# Allegro board RK3576_Template_LP5D315P132SD8_25x36_2400MHz_H1R6_V11_20240530YWQ.brd (continued)
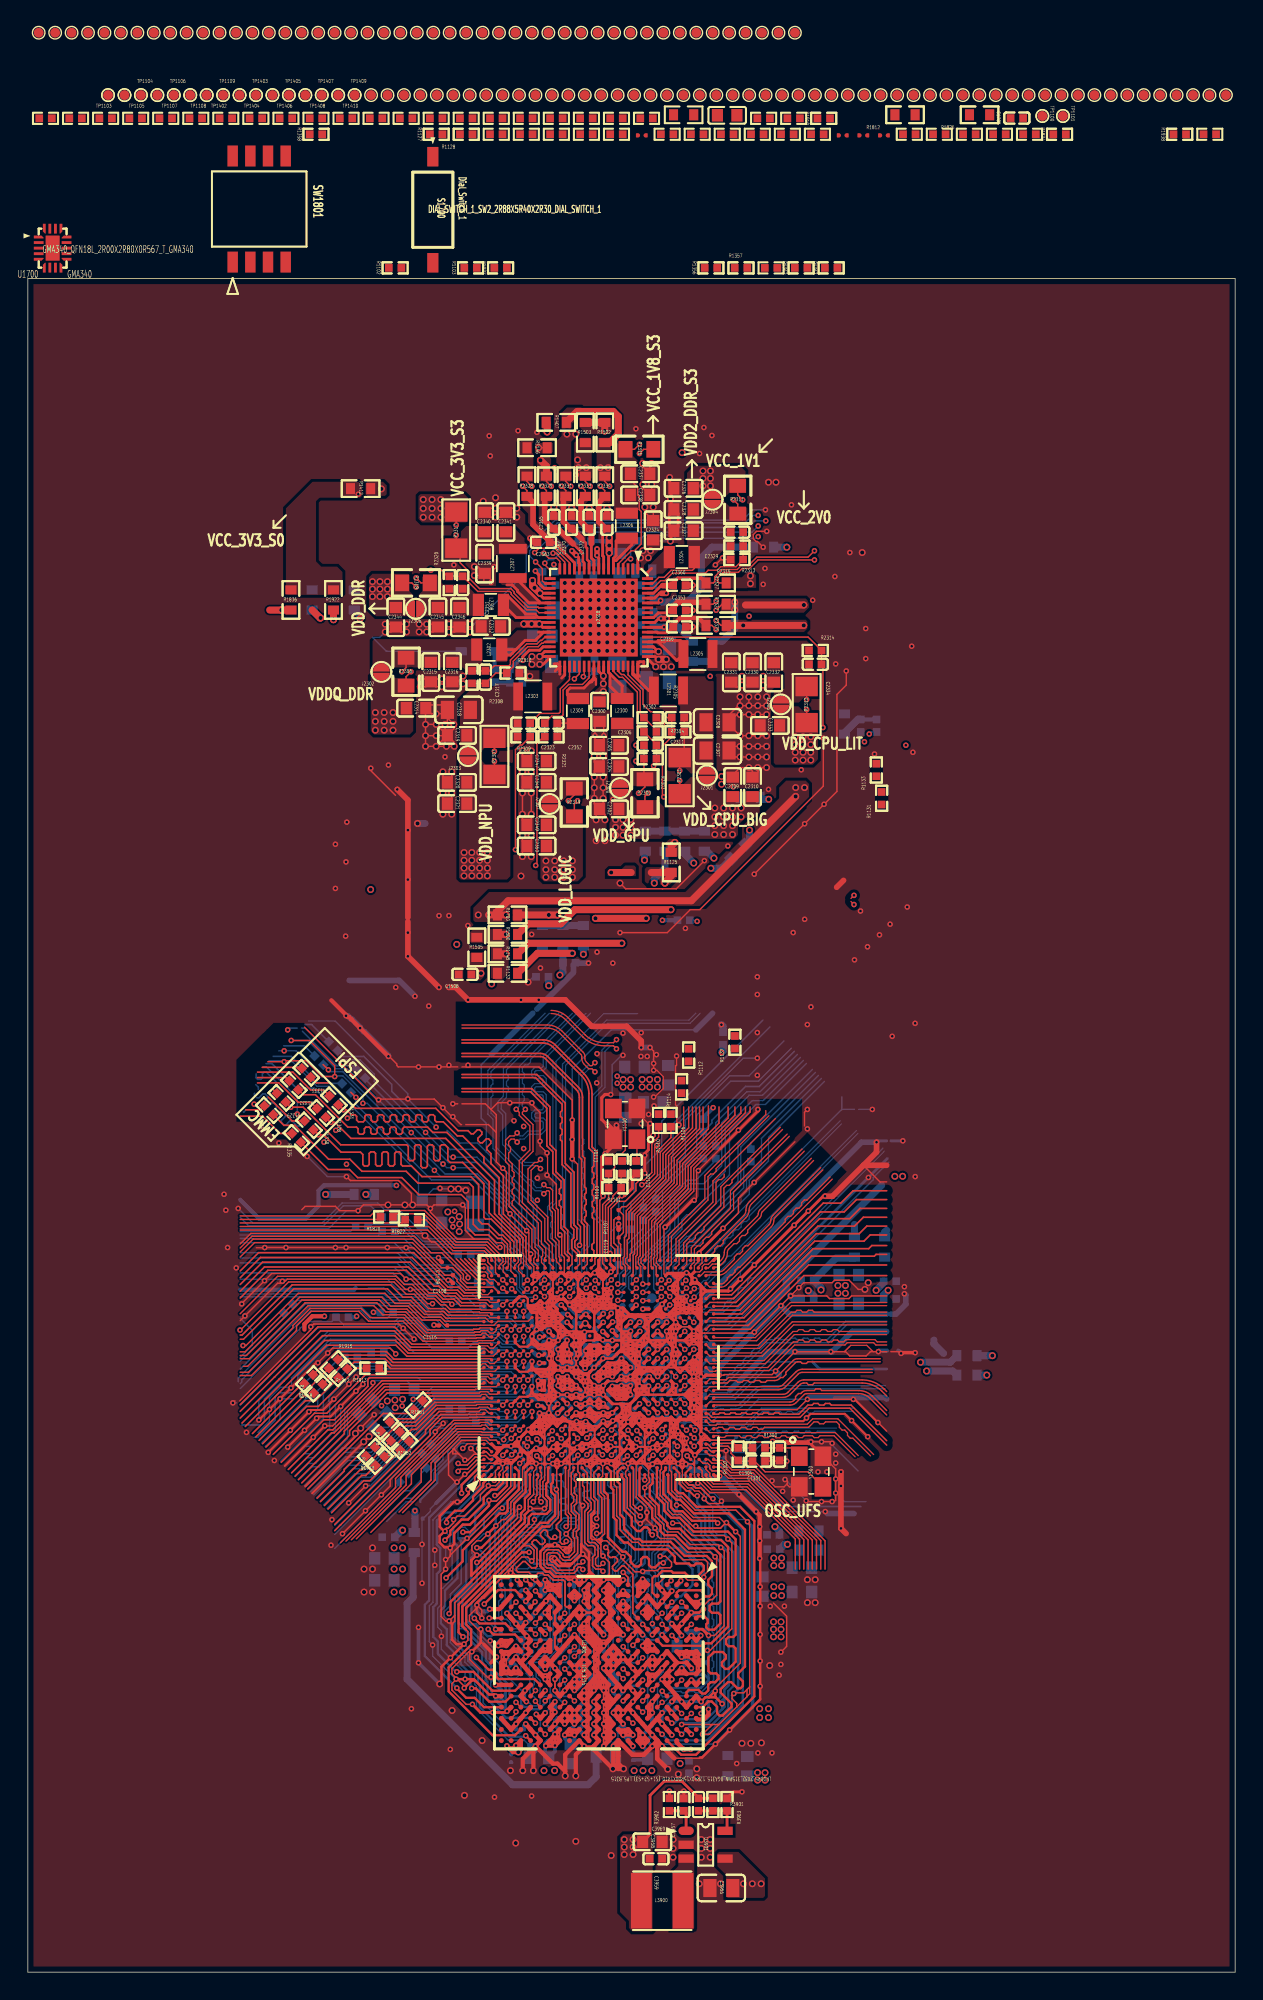
[diagram p0: board, top side]
## Routing (per net, layer and track width the routed paths; a pad name or vN(x,y) marks a point on that pad's centre or on a via; arc(x,y) is an arc through that point) (continued)
  TOP w0.406: v1(29.54,70.74) v1(27.3,72.97) v1(27.3,74.68) 27.3,75.46 ; 42.06,60.35 Y1100.4 ; 42.06,60.35 42.06,60.43 v1(41.66,60.83) ; 42.06,60.35 42.29,60.58 v1(42.29,60.83) ; v1(30.25,70.74) 30.73,70.74 v1(31.63,69.85) v1(35.43,69.85) v1(36.7,69.85) 38.61,69.85 40.51,67.94 43.03,67.94 44.07,66.9 v1(44.07,66.42) ; C2367.2 v2(39.06,105.16) ; v1(60.97,59.62) 60.97,58.9 60.03,57.96 ; C2353.2 v1(47.78,97.83) ; v1(26.54,84.96) 27.3,84.2 v1(27.3,82.04) v1(27.3,78.49) 27.3,75.77 ; v1(57.28,55.74) 57.81,55.74 60.03,57.96 ; 61.7,57.96 60.03,57.96 ; v1(58.42,35.94) v1(58.42,34.92) v1(58.42,31.88) 58.79,31.51 ; 58.6,78.43 58.11,77.94 ; C2372.2 v2(41.6,105.16) ; C2363.2 36.39,102.71 v1(36.09,103.02) ; C2360.2 v1(47.78,99.63) ; C2370.2 v2(40.33,105.16) ; C2365.2 v2(37.79,105.25) ; C2356.2 v1(47.78,96.64)
  L2-GND w0.102: 67.06,27 68.66,27 68.99,27.33 ; 71.12,109.6 67.68,106.16 67.68,105.54
  L3-POWER w0.102: 29.98,57.9 29.98,57.95 ; 29.98,57.9 v1(29.83,58.05) ; 29.98,57.9 29.98,56.7 29.62,56.34 v1(29.62,56.31) 29.77,56.16 29.77,51.6 v1(29.5,51.32) ; 29.98,57.95 29.98,58.2 ; 29.98,57.95 29.88,58.05 v1(29.83,58.05) ; 30.1,70.59 30.1,70.9 ; 30.1,70.59 30.1,65.3 v1(30.25,65.15) 30.39,65.02 30.39,62.53 v1(30.53,62.38) v1(30.53,61.45) 30.39,61.31 30.39,58.72 ; 30.1,70.59 v1(30.25,70.74) 30.1,70.9 ; 30.1,70.9 30.1,75.75 ; 30.1,76.05 30.1,79.76 31.23,80.89 34.28,80.89 35.03,80.14 v2(35.54,80.14) 35.54,80.63 35.14,81.03 34.72,81.03 34.45,81.3 31.06,81.3 30.38,80.62 29.69,79.93 29.69,76.05 ; 30.1,76.05 v1(30.25,75.9) 30.23,75.87 ; 30.1,76.05 30.1,75.87 ; 40.38,88.46 v1(40.74,88.82) v1(41.38,88.82) 41.74,88.46 ; 40.38,88.46 31.01,88.46 30.63,88.09 v2(30.63,88.06) v2(30.07,88.06) v2(29.34,88.06) v2(28.58,88.06) 28.39,88.06 28.19,87.86 26.27,87.86 24.89,86.49 v1(24.64,86.49) 24.64,86.23 22.28,83.87 22.28,81.2 v1(22.1,81.03) 22.28,80.85 22.28,78.03 v1(22.1,77.85) 22.28,77.67 22.28,64.57 v1(22.05,64.34) 21.91,64.2 21.91,61.59 22.28,61.22 22.28,60.63 v1(22.12,60.48) 22.28,60.32 22.28,52.23 ; 40.38,88.46 41.74,88.46 ; 30.23,75.87 30.1,75.87 ; 30.23,75.87 30.1,75.75 ; 30.1,75.87 30.1,75.75 ; 29.69,75.87 29.69,76.05 ; 29.69,75.87 29.57,75.87 ; 29.69,75.87 29.69,75.74 ; 29.69,76.05 v1(29.54,75.9) 29.57,75.87 ; 29.57,75.87 29.69,75.74 ; 29.69,75.74 29.69,70.89 ; 41.74,88.46 43.36,88.46 v1(43.69,88.14) 44.7,87.12 44.99,87.12 45.31,86.8 45.31,86.4 45.21,86.3 44.38,86.3 v1(43.69,87) 43.69,87.34 42.98,88.06 36.49,88.06 ; v1(29.83,58.05) 29.98,58.2 ; 29.98,58.2 29.98,61.94 ; 22.68,68.38 22.68,64.08 22.32,63.72 22.32,61.75 22.72,61.35 v1(22.96,61.35) 22.68,61.07 22.68,58.25 v1(22.89,58.04) v1(22.89,57.15) 22.68,56.94 22.68,52.23 ; 22.68,68.38 22.68,68.53 v1(22.86,68.71) 22.68,68.88 ; 22.68,68.38 22.68,68.88 ; 29.98,62.26 v1(29.82,62.1) 29.98,61.94 ; 29.98,62.26 29.98,61.94 ; 29.98,62.26 29.98,64.59 v1(29.54,65.03) 29.69,65.18 29.69,70.59 ; 22.28,52.23 v1(22.1,52.05) 22.28,51.88 ; 22.28,52.23 22.28,51.88 ; 22.68,52.23 22.68,51.88 ; 22.68,52.23 v1(22.86,52.05) 22.68,51.88 ; 22.68,74.27 22.68,68.88 ; 22.68,74.27 v1(22.83,74.42) 22.68,74.57 ; 22.68,74.27 22.68,74.57 ; 36.49,88.06 v2(36.17,87.73) v2(35.54,87.73) 35.21,88.06 ; 36.49,88.06 35.21,88.06 ; 22.68,74.57 22.68,76.63 22.68,79.58 v1(22.86,79.76) 22.71,79.91 22.71,82.41 ; v1(30.56,58.55) 30.39,58.72 ; v1(30.56,58.55) v1(30.56,57.78) ; v1(30.56,58.55) 30.39,58.38 ; 30.39,58.72 30.39,58.38 ; 30.39,57.96 30.39,58.38 ; 30.39,57.96 v1(30.56,57.78) ; 30.39,57.96 30.39,57.61 ; 22.71,82.41 v1(22.92,82.61) 22.71,82.82 ; 22.71,82.41 22.71,82.82 ; 35.21,88.06 31.48,88.06 30.88,87.46 30.12,87.46 v1(29.97,87.31) 29.82,87.46 26.44,87.46 25.91,86.93 v1(25.91,86.72) 25.7,86.72 22.71,83.73 22.71,82.82 ; 22.68,51.88 22.68,43.41 23.34,42.76 v1(23.58,42.76) 23.58,42.72 v1(24.07,42.23) ; 22.28,51.88 22.28,43.25 23.07,42.45 v1(23.07,42.24) v1(23.57,41.74) 24.88,40.43 v1(24.88,40.05) ; 29.69,70.89 v1(29.54,70.74) 29.69,70.59 ; 29.69,70.89 29.69,70.59 ; 30.39,57.61 30.39,56.28 v2(30.4,56.26) ; 30.39,57.61 v1(30.56,57.78)
  L4-SIG w0.102: 15.01,49.05 15.01,47.09 ; 15.37,45.72 15.6,45.95 15.6,46.51 ; 15.26,52.69 15.56,52.38 15.56,49.6 ; 61.7,61.98 v1(60.68,61.98) 59.95,62.7 59.95,65.36 61.81,67.23 ; v1(36.52,37.64) 36.52,37.64
  L6-SIG w0.089: 29.31,33.68 29.31,33.7 29.46,33.85 29.46,36.32 ; v1(36.52,36.53) 36.66,36.53 36.89,36.77 36.89,37.27 36.52,37.64 ; 44.6,37.41 44.6,36.78 v1(44.88,36.49) ; 42.62,23.07 42.8,22.89 42.8,22.66 v1(42.77,22.63) ; v1(41.88,37.78) 41.88,37.81 42.29,38.23 42.29,38.54 42.38,38.63 42.82,38.63 43.08,38.38 v1(43.08,38.38) ; 37.21,39.01 37.12,39.1 36.67,39.1 v1(36.56,38.99) ; 37.21,39.01 37.71,39.51 38.47,39.51 38.99,38.99 38.99,38.18 v1(39.48,37.69) 39.34,37.69 39.14,37.49 39.14,36.73 39.52,36.35 40.02,36.35 v1(40.17,36.49) 40.17,36.45 40.64,35.98 40.64,35.69 ; 37.21,39.01 37.21,38.1 37.53,37.78 37.72,37.78 v1(37.77,37.73) ; 35.38,18.29 35.43,18.34 35.43,19.05 35.69,19.3 ; v1(42.77,26.63) 42.77,26.92 42.54,27.14 ; 46.61,35.7 46.41,35.7 45.92,36.2 ; 46.61,35.7 46.62,35.69 46.74,35.69 ; 46.61,35.7 47.79,35.7 47.81,35.69 ; v1(40.12,38.93) 39.84,38.65 39.84,38.01 v1(40.12,37.73) ; v1(31.83,37.63) 31.48,37.97 31.12,37.97 ; 42.54,28.44 42.77,28.22 v1(42.77,28.18) 42.8,28.16 42.8,27.88 42.54,27.63 ; 43.35,35.69 43.35,36.31 v1(43.12,36.54) ; v1(41.92,36.53) 41.92,36.13 42.16,35.89 42.16,35.78 ; 48.77,36.07 48.35,36.49 v1(47.28,36.49)
  L6-SIG w0.102: v1(49.39,20.21) 49.63,20.45 49.91,20.45 50.79,21.32 50.79,30.62 v1(50.29,31.11) 49.66,31.75 49.33,31.75 49.15,31.93 49.15,32.51 49.25,32.61 49.76,32.61 ; 41.37,24.54 v1(41.37,24.23) 41.37,23.93 ; 41.37,24.54 41.02,24.89 41.02,25.18 41.37,25.53 41.37,25.56 ; 41.37,24.54 41.73,24.9 41.73,25.2 41.37,25.56 ; 30.92,32.07 30.92,32.17 v1(30.59,32.5) ; 30.92,32.07 30.86,32 30.86,30.81 31.11,30.55 31.11,30.13 31.46,29.79 31.46,28.36 33.68,26.13 33.68,24.71 v1(33.61,24.63) 33.22,25.02 33.02,25.02 32.61,25.43 v1(32.61,25.43) 32.57,25.43 32.23,25.77 31.75,25.77 31.5,26.02 31.5,26.61 30.4,27.7 30.4,28.52 30.02,28.91 ; 30.92,32.07 31.11,32.25 ; 37.1,34.16 36.16,34.16 ; 37.1,34.16 37.14,34.2 37.14,35.02 37.59,35.48 38.47,35.48 38.88,35.07 38.88,32.75 38.21,32.09 ; 37.1,34.16 37.23,34.04 37.23,33.43 37.11,33.32 v1(37.11,33.3) ; 36.16,34.16 35.96,33.96 35.96,33.45 36.09,33.32 v1(36.09,33.3) ; 36.16,34.16 36.12,34.16 35.69,34.6 35.69,36 36.22,36.53 v1(36.52,36.53) ; 30.86,32.51 31.11,32.25 ; 30.86,32.51 30.59,32.51 v1(30.59,32.5) ; 30.86,32.51 30.22,33.14 ; 31.11,32.25 31.62,31.75 ; 35.69,19.3 35.82,19.43 v1(35.82,19.43) ; v1(48.47,17.08) 48.17,17.08 47.82,17.44 47.32,17.44 v1(46.97,17.79) 46.58,18.18 46.58,19.04 v1(46.97,19.43) ; 38.21,32.09 38.21,31.84 38.21,31.75 ; 38.21,32.09 37.51,31.39 37.51,31.06 v1(37.86,30.71) 38.32,31.17 ; 46.74,35.69 47.54,34.88 47.62,34.88 ; v1(49.83,33.83) 49.83,33.99 48.7,35.12 v1(48.14,35.12) ; v1(49.83,33.83) 49.54,33.83 49.37,33.66 48.94,33.66 v1(48.59,34.02) 48.37,33.8 48.02,33.8 47.75,34.07 47.75,34.76 47.62,34.88 ; v1(49.83,33.83) 49.83,32.69 49.76,32.61 ; 32.77,27.75 31.91,28.61 31.91,29.29 ; 49.63,35.64 v1(49.71,35.64) 49.92,35.42 50.12,35.42 51.41,34.14 ; v1(34.42,25.78) 34.77,25.43 35.28,25.43 35.42,25.58 35.42,25.95 35.77,26.3 v1(35.77,26.63) 35.57,26.63 35.27,26.94 34.56,26.94 33.47,28.02 33.47,31.07 33.06,31.48 v1(33.05,31.48) 33.05,31.5 32.9,31.64 32.88,31.64 30.98,33.53 30.98,33.66 v1(30.86,33.78) 30.73,33.91 30.73,35.1 v1(30.83,35.2) ; v1(47.67,25.83) 48.02,26.18 ; 48.02,26.18 48.07,26.13 48.49,26.13 v1(48.54,26.08) 48.54,26.1 48.72,26.28 48.72,26.79 48.51,27 48.24,27 48.02,26.78 48.02,26.18 ; 40.67,35.66 40.67,32.92 40.46,32.71 40.46,30.06 40.9,29.62 41.04,29.62 v1(41.32,29.9) 41.8,29.42 42.02,29.42 42.44,29 42.44,28.55 42.54,28.44 ; 40.67,35.66 40.89,35.43 41.17,35.43 41.47,35.13 41.47,31.38 42.11,30.75 42.11,30.15 42.43,29.82 v1(42.75,29.82) ; 40.67,35.66 40.64,35.69 ; v1(32.26,29.96) 31.91,30.31 31.91,30.81 v1(31.55,31.16) 31.62,31.23 31.62,31.75 ; v1(32.26,29.96) 31.91,29.61 31.91,29.29 ; v1(32.26,29.96) 32.75,29.96 32.77,29.97 32.77,30.6 31.62,31.75 ; 49.31,18.71 49.02,18.41 48.54,18.41 v1(48.37,18.58) 47.9,19.05 46.19,19.05 45.77,18.63 v1(45.57,18.63) ; 45.92,36.2 45.92,37.61 v1(46.73,38.42) ; 35.44,22.26 v1(35.07,22.63) ; 35.44,22.26 35.67,22.04 35.67,21.89 v1(33.61,19.83) 33.61,19.6 34.43,18.78 v1(34.43,18.74) 34.89,18.28 35.37,18.28 ; 35.44,22.26 35.44,22.34 v1(35.77,22.66) 35.96,22.86 37.07,22.86 37.52,23.32 37.52,28.82 37.46,28.89 ; 38.21,31.75 38.21,31.28 38.32,31.17 ; 38.21,31.75 38.48,31.48 38.64,31.48 ; 41.37,25.56 v1(41.37,25.83) 41.37,26.13 ; 44.96,37.77 44.57,37.38 44.57,36.99 44.88,36.68 v1(44.88,36.49) 44.99,36.39 44.99,34.9 46.34,33.55 v1(46.61,33.55) ; 44.31,31.35 44.89,31.93 45.03,31.93 v1(45.06,31.9) ; 46.61,26.92 46.61,25.4 v1(46.97,25.03) ; 46.61,26.92 46.61,27.05 v1(46.27,27.38) ; 46.61,26.92 46.74,27.05 ; 29.59,28.48 29.24,28.83 v1(29.24,29.23) v1(29.24,30.32) 29.24,32.16 29.58,32.5 ; v1(51.7,32.36) 51.7,33.13 48.77,36.07 ; 31.91,29.29 32.11,29.08 32.77,29.08 32.77,29.08 ; 42.16,35.78 42.16,31.74 43.64,30.26 43.64,29.62 44.17,29.09 v1(44.17,28.79) ; 41.37,23.93 40.07,22.63 v1(39.97,22.63) 39.67,22.33 39.13,22.33 38.92,22.54 38.92,23.55 39.08,23.71 39.95,23.71 40.32,24.09 40.32,25.18 39.97,25.53 v1(39.97,25.83) 39.97,26.14 40.32,26.49 40.32,27.83 v1(39.97,28.18) 39.97,28.22 39.53,28.67 39.53,29.67 v1(39.88,30.03) 40.25,30.03 40.97,29.31 40.97,28.65 41.37,28.25 v1(41.37,28.18) 41.37,27.93 41.23,27.79 ; 41.37,23.93 41.73,23.57 41.73,22.76 41.63,22.66 40.44,22.66 40.26,22.48 40.26,20.83 40.5,20.59 41.45,20.59 41.46,20.57 41.73,20.57 v1(42.07,20.23) ; 41.23,27.79 41.02,27.58 41.02,26.49 41.37,26.14 41.37,26.13 ; 41.23,27.79 41.24,27.79 41.52,27.79 41.73,27.57 41.73,26.49 41.37,26.13 ; 38.35,27.1 38.2,26.95 38.2,26.82 38.35,26.67 ; 38.35,27.1 38.35,26.67 ; 38.35,27.1 38.35,27.1 38.35,27.65 38.25,27.75 ; 43.69,33.68 44.15,33.68 44.47,33.35 v1(44.47,33.02) ; 38.22,22.72 38.22,22.18 v1(37.87,21.83) 37.33,21.83 ; 38.22,22.72 38.22,25.93 38.35,26.07 38.35,26.67 ; 38.22,22.72 37.33,21.83 ; v1(30.59,32.5) 30.22,32.87 30.22,33.14 ; v1(30.83,35.2) 31.39,35.76 v1(31.39,35.76) 31.4,35.77 v1(31.4,36.79) 31.29,36.9 30.7,36.9 30.03,36.23 30.03,33.34 30.22,33.14 ; v1(30.83,35.2) 31.09,35.2 v1(31.62,34.67) 31.75,34.54 31.75,33.68 33.3,32.13 33.55,32.13 v1(33.62,32.06) 34.04,31.64 34.04,28.21 34.81,27.43 v1(35.77,27.43) ; v1(39.27,28.18) 39.13,28.33 39.13,30.05 39.73,30.65 39.73,33.39 v1(39.86,33.52) ; v1(35.82,19.43) 36.12,19.13 36.12,18.49 35.92,18.28 35.37,18.28 ; v1(35.82,19.43) 35.72,19.54 v1(35.72,20.23) ; 47.62,34.88 47.87,35.12 v1(48.14,35.12) ; 38.64,31.48 v1(38.68,31.48) ; 38.64,31.48 38.32,31.17 ; 49.76,32.61 49.98,32.39 50.08,32.39 50.17,32.29 v1(50.2,32.29) 50.2,32.27 50.82,31.64 v1(50.85,31.64) ; 29.93,31.69 29.98,31.64 29.98,31.61 30.32,31.26 30.32,30.86 ; 43.42,33.96 43.35,34.03 43.35,35.69 ; v1(36.2,29.54) 36.2,29.56 36.1,29.67 35.76,29.67 35.66,29.77 35.66,32.66 35.32,33 v1(35.32,33.4) ; 30.22,33.14 29.88,32.8 ; v1(48.14,35.12) 48.09,35.18 48.09,35.41 47.81,35.69 ; v1(34.68,28.69) 34.54,28.83 34.54,32.13 34.01,32.66 33.41,32.66 32.48,33.58 32.48,35.44 v1(32.49,35.45) ; 37.33,21.83 37.22,21.83 v1(37.17,21.78) ; v1(42.77,22.63) 42.77,22.59 43.13,22.23 43.13,20.9 42.77,20.55 v1(42.77,20.23) ; 35.37,18.28 35.38,18.29 ; v1(45.57,26.63) v1(45.57,27.43) ; 42.62,23.07 42.42,23.27 42.42,25.15 42.57,25.3 42.57,25.46 42.77,25.65 v1(42.77,25.83) ; v1(36.52,37.64) 36.52,37.64 ; v1(36.47,17.03) 36.77,16.73 37.32,16.73 37.52,16.94 37.52,17.49 v1(37.87,17.83) ; 42.54,27.14 42.42,27.27 42.42,27.5 42.54,27.63 ; 29.46,36.32 29.46,37.08 30.35,37.97 31.12,37.97
  L6-SIG w0.107: v1(33.4,18.66) 33.65,18.4 33.65,18.16 34.79,17.02 35.17,17.02 35.6,16.59 36.03,16.59 v1(36.47,17.03)
  L6-SIG w0.127: 29.58,31.49 29.74,31.49 29.92,31.66 29.58,32 ; 29.58,31.49 29.58,30.07 30.01,29.64 v1(30.02,29.64) ; 29.58,31.49 29.58,32 ; 29.58,32 29.58,32.5 29.88,32.8 ; v1(52.58,29.72) v1(52.58,30.99) 52.58,31.75 52.62,31.79 52.62,31.97 v1(52.58,32)
  L6-SIG w0.152: 30.13,26.92 30.73,26.32 30.73,25.84 31.94,24.63 v1(32.54,24.63)
  L6-SIG w0.165: v1(45.57,22.63) 45.75,22.63 46.48,23.37 48.1,23.37 48.9,24.17 v1(48.9,24.18)
  L6-SIG w0.178: 45.7,31.22 46,31.22 46.14,31.08 46.14,30.78 ; 45.7,31.22 46.14,30.78 ; 45.7,31.22 45.25,31.66 45.25,31.72 45.07,31.9 v1(45.06,31.9) ; v1(52.58,32) 52.45,32.13 52.32,32.13 52.2,32.26 51.91,32.26 51.81,32.36 v1(51.7,32.36) ; 32.77,29.97 32.77,27.75 34.18,26.34 34.18,26.18 34.42,25.94 v1(34.42,25.78) ; v1(36.47,28.18) 36.29,28.18 35.1,29.38 35.1,32.47 34.23,33.34 v1(34.08,33.34) 33.69,33.34 v1(33.13,33.89) 33.08,33.95 v1(33.08,34.94) ; 48.31,29.26 48.64,28.93 48.64,28.45 v1(48.56,28.37) ; 48.31,29.26 48.31,28.62 v1(48.56,28.37) ; 48.31,29.26 46.89,30.67 46.89,31.45 46.39,31.95 ; v1(48.56,28.37) 48.56,28.35 48.69,28.22 48.69,27.17 48.51,27 ; 32.68,22.22 32.51,22.05 32.51,19.54 v1(33.4,18.66) ; 32.68,22.22 32.69,22.22 32.69,22.95 32.51,23.13 32.01,23.13 v1(31.9,23.02) 31.35,23.57 v1(31.34,23.57) 31.18,23.57 30.35,24.4 30.35,25.14 v1(30.27,25.22) 30.25,25.22 29.86,25.61 29.86,27.2 ; 32.68,22.22 31.63,22.22 v1(29.71,24.13) 28.45,25.4 28.45,32.82 29.31,33.68 ; 29.86,27.2 29.59,27.47 29.59,28.48 30.02,28.9 v1(30.02,28.95) v1(30.02,29.64) ; 29.86,27.2 30.13,26.92 ; v1(45.57,27.43) 45.49,27.43 45.08,27.85 45.08,29.28 ; 47.3,27.96 47.3,27.62 46.74,27.05 ; 47.3,27.96 47.3,28.21 47.3,29.15 46.14,30.31 46.14,30.78 ; 47.3,27.96 46.72,27.38 v1(46.27,27.38) ; 46.39,31.95 46.39,32.19 v1(46.33,32.26) 46.2,32.26 45.98,32.47 ; 46.39,31.95 46,31.95 45.98,31.97 45.98,32.47 ; v1(37.97,34.67) 38.15,34.49 38.15,33.07 37.34,32.26 37.29,32.26 ; 45.98,32.47 45.31,33.15 44.6,33.15 v1(44.47,33.02) 44.47,32.68 44.02,32.23 v1(44,32.23) ; v1(52.58,29.72) 52.62,29.68 v1(52.62,27.69) v1(52.62,26.29) v1(52.62,24.26) v1(52.62,22.35) v1(52.62,20.54) 49.16,17.08 v1(48.47,17.08) ; 36.58,29.77 36.48,29.67 36.33,29.67 v1(36.2,29.54) 36.33,29.54 36.47,29.39 36.49,29.39 36.71,29.17 37.17,29.17 ; 36.58,29.77 37.17,29.17 ; 36.58,29.77 36.58,31.5 37.29,32.21 37.29,32.26 ; 45.28,29.73 44.63,29.73 ; 45.28,29.73 45.08,29.53 45.08,29.28 ; 45.28,29.73 v1(45.42,29.88) ; 44.63,29.73 44.42,29.94 44.42,31.24 44.3,31.36 43.65,31.36 43.09,31.92 43.09,32.98 43.42,33.31 43.42,33.66 ; 44.63,29.73 45.08,29.28 ; v1(32.54,24.63) 32.54,24.48 32.88,24.14 ; v1(46.61,33.55) 46.83,33.55 47.5,32.89 47.5,32.53 v1(47.98,32.04) 48.1,31.93 48.1,31.12 v1(49.37,29.84) 49.74,29.48 49.74,25.66 49.03,24.95 49.03,24.31 v1(48.9,24.18) ; 43.42,33.66 43.42,33.96 43.69,33.69 43.69,33.68 43.43,33.68 43.42,33.66 ; v1(42.77,26.63) v1(42.77,25.83) ; 32.88,24.14 v1(33.22,23.81) 33.22,23.42 33.67,22.97 v1(33.67,22.63) 33.67,21.58 v1(33.27,21.18) 33.22,21.13 33.22,20.22 v1(33.61,19.83) ; 32.88,24.14 33.29,24.14 33.61,24.46 v1(33.61,24.63) ; 29.92,31.66 29.93,31.67 29.93,31.69 29.95,31.69 v1(29.97,31.67) ; v1(39.86,33.52) 40,33.66 40,35.26 38.82,36.45 38.41,36.45 v1(38.32,36.53) ; 37.17,29.17 37.46,28.89 ; v1(36.09,33.3) 36.09,33 36.63,32.46 37.08,32.46 37.29,32.26 ; v1(50.85,31.64) 51.31,31.18 51.31,20.61 v1(50.72,20.02) 50.62,20.02 v1(49.89,19.28) 49.31,18.71 49.31,19.43 v1(48.37,19.43) ; v1(37.86,30.71) 37.59,30.44 37.59,29.97 v1(37.85,29.72) 37.85,29.56 38.25,29.15 38.25,27.75 ; v1(47.67,25.83) 47.67,25.73 v1(46.97,25.03) ; v1(32.26,26.37) 32.26,26.67 30.89,28.04 30.89,29.66 30.35,30.21 v1(30.35,30.48) 30.35,30.53 30.32,30.55 30.32,30.86
  L6-SIG w0.229: v1(34.12,36.53) 35.09,35.57 35.09,33.64 v1(35.32,33.4)
  BOTTOM w0.089: 34.16,36.49 34.16,35.69 ; v1(38.57,25.03) 38.39,25.03 38.35,25.07 ; v1(38.57,25.03) 38.57,25.29 38.35,25.5 ; v1(38.57,25.03) 38.35,25.25 38.35,25.07 ; v1(38.57,25.03) 38.57,24.8 ; 38.35,24.59 38.57,24.8 ; 38.35,24.59 38.35,24.47 38.57,24.68 38.57,24.8 ; 38.35,24.59 38.35,25.07 ; 48.77,45.91 48.36,45.51 47.67,45.51 47.37,45.21 46.79,45.21 C1603.2 ; 41.89,52.39 41.89,52.7 ; C1405.2 46.22,43.05 U1000.2R5 ; v1(44.88,36.49) 44.57,36.8 44.57,38.59 v1(44.89,38.91) ; 38.35,23.49 38.35,23.93 ; C1600.2 44.31,46.36 43.62,46.36 v1(43.31,46.05) ; U1000.2R5 v1(46.55,42.13) ; U1000.2R5 45.57,42.46 v1(45.25,42.78) ; v1(47.28,36.49) 47.28,36.29 48.01,35.56 48.01,35.43 ; 50.45,41.81 50.25,41.62 49.19,41.62 49,41.81 46.8,41.81 46.75,41.76 46.62,41.76 C1406.2 ; v1(46.72,38.86) 46.51,39.07 C1305.2 46.7,39.47 R1301.2 ; C3935.2 43.12,23.86 43.12,22.98 43.24,22.86 ; 44.63,42.1 44.66,42.1 C1402.2 C1802.2 ; v1(46.55,46.68) 46.87,46.36 47.52,46.36 v1(47.85,46.03) ; 33.91,37.59 34.04,37.59 ; 34.84,21.12 35.08,21.12 C3949.2 35.4,21.5 ; v1(39.95,21.03) 39.95,20.67 39.51,20.23 v1(39.27,20.23) ; v1(37.77,37.73) 37.77,37.67 37.35,37.25 37.35,36.91 v1(37.72,36.53) ; v1(46.72,36.53) 46.35,36.9 46.35,38.04 v1(46.73,38.42) ; v1(45.57,27.43) v1(45.57,26.63) ; 45.3,29.21 45.33,29.18
  BOTTOM w0.102: 36.04,16.33 35.99,16.33 35.65,16.67 34.5,16.67 32.24,18.93 32.24,20.53 32.11,20.66 32.11,21.57 31.4,22.27 31.4,22.63 30.35,23.68 30.35,25.14 v1(30.27,25.22) 30.25,25.22 29.91,25.56 29.91,25.9 30.35,26.34 30.35,27.14 31.14,27.93 31.14,30.75 ; 48.77,19.81 49.16,20.21 v1(49.39,20.21) ; 48.77,19.81 48.75,19.81 v1(48.37,19.43) ; 48.77,19.81 49,19.81 ; 42.56,65.86 42.66,65.86 ; 42.66,65.86 v1(42.76,65.86) ; 42.66,65.86 41.98,65.18 41.98,63.15 v1(41.88,63.04) ; C2357.2 37.89,101.03 v1(37.79,101.12) ; 36.83,24 36.7,23.88 ; 36.83,24 36.83,24 36.96,23.88 ; 36.83,24 36.83,24.54 36.93,24.64 37.34,24.64 ; 36.82,34.34 36.36,34.34 35.96,33.93 35.96,33.45 36.09,33.32 v1(36.09,33.3) ; 36.82,34.34 36.3,34.85 36.3,35.56 36.58,35.83 36.58,36.48 v1(36.52,36.53) ; 36.82,34.34 37.24,33.92 37.24,33.44 37.11,33.32 v1(37.11,33.3) ; 36.8,19.81 36.8,20.94 36.52,21.22 36.52,21.65 C3954.2 ; 36.8,19.81 36.8,19.3 36.63,19.13 36.24,19.13 35.94,19.43 v1(35.82,19.43) ; 36.8,19.81 37.03,19.81 37.03,19.81 37.31,19.81 37.5,19.62 37.5,18.96 v1(37.17,18.63) ; v1(40.87,32.05) 40.51,32.4 ; v1(40.87,32.05) 40.56,32.05 40.51,32 ; v1(40.87,32.05) 40.51,31.69 ; 40.51,32.4 40.51,32.72 40.72,32.94 ; 40.51,32.4 40.51,32 ; v1(19.88,38.92) v1(18.67,37.72) ; 38.24,24.35 38.35,24.47 ; 38.24,24.35 38.24,24.05 38.35,23.93 ; 38.24,24.35 38.24,24.47 38.35,24.59 ; 44.79,27.88 44.87,27.97 44.87,28.4 C3923.2 44.63,28.76 44.63,30.48 44.56,30.55 ; 44.79,27.88 44.79,26.45 ; 44.79,27.88 44.78,27.88 44.58,27.69 44.58,27.38 44.49,27.29 44.49,26.31 ; C3940.2 42.36,17.21 42.4,17.17 42.4,16.71 C3929.2 ; 42.46,29.3 42.46,29.27 42.22,29.04 42.22,26.33 42.72,25.83 v1(42.77,25.83) ; 42.46,29.3 42.46,29.53 v1(42.75,29.82) ; 42.46,29.3 42.75,29.59 v1(42.75,29.82) ; v1(52.41,65.66) 51.4,65.66 46.78,61.04 v1(46.78,60.87) ; v1(47.87,40.91) 48.31,40.47 C1404.2 49.19,41.15 50.8,41.15 52.89,43.24 53.66,43.24 v1(53.72,43.18) ; v1(36.56,38.99) 36.9,38.65 36.9,38.02 v1(36.52,37.64) ; v1(48.59,34.02) 49.2,33.4 49.2,31.77 49.55,31.43 50.11,31.43 ; v1(48.59,34.02) 48.59,34.62 48.14,35.07 v1(48.14,35.12) 48.09,35.18 48.09,35.35 48.01,35.43 ; v1(48.59,34.02) 48.62,34.02 49.02,34.42 49.29,34.42 49.83,33.87 v1(49.83,33.83) 49.83,33.73 49.91,33.66 49.91,33.55 50.95,32.51 51.55,32.51 v1(51.7,32.36) ; v1(42.75,29.82) 43.15,30.23 43.15,31.7 42.75,32.11 42.75,35.61 41.92,36.44 v1(41.92,36.53) ; C1802.2 45.25,41.51 45.77,41.51 45.92,41.37 46.22,41.37 C1406.2 ; 15.26,53.42 21.61,53.42 22.89,54.7 v1(23.73,54.7) ; 31.34,24.67 31.01,24.67 30.91,24.57 30.91,23.79 31.13,23.57 v1(31.34,23.57) 31.35,23.57 v1(31.9,23.02) 31.87,22.99 31.87,22.46 32.65,21.68 32.65,20.78 32.71,20.73 32.71,19.35 v1(33.4,18.66) 33.4,18.62 34.88,17.14 35.33,17.14 C3918.2 ; 30.95,31.14 30.91,31.18 30.91,31.75 31.11,31.96 31.41,31.96 31.77,31.6 31.77,31.38 ; v1(36.45,49.73) 36.2,49.99 36.2,50.59 34.64,52.14 v1(34.64,54.48) 34.42,54.7 34.42,54.91 32.2,57.13 29.68,57.13 v1(29.21,57.6) 24.39,62.41 v1(24.07,62.41) 24.07,62.95 22.63,64.38 22.09,64.38 v1(22.05,64.34) 21.13,64.34 19.28,66.19 v1(18.41,66.19) 18.03,66.19 ; 32.07,29.96 32.05,29.96 31.9,30.1 31.9,30.64 32.76,31.49 33.03,31.49 v1(33.05,31.48) ; C1038.2 29.13,56.26 v2(30.4,56.26) v2(30.93,56.26) ; C1038.2 28.07,55.74 28.07,57.4 21.84,63.63 20.78,63.63 19.01,65.41 v1(18.41,65.41) 18.34,65.48 17.32,65.48 ; C1038.2 28.92,54.88 v1(28.92,54.86) ; 34.58,21.12 34.84,21.12 ; 34.58,21.12 33.89,21.81 33.89,22.12 33.67,22.34 v1(33.67,22.63) 33.42,22.88 33.42,23.31 32.54,24.19 v1(32.54,24.63) ; 34.58,21.12 35.47,20.23 v1(35.72,20.23) ; C1040.2 33.15,54.29 33.15,52.69 ; 19.36,67.82 18.8,67.82 v1(18.67,67.69) ; 29.7,27.58 29.8,27.58 30.48,28.25 30.48,30.34 v1(30.35,30.48) 30.32,30.5 30.32,31.32 v1(29.97,31.67) ; 29.7,27.58 29.7,26.39 29.44,26.14 29.44,24.78 29.71,24.51 v1(29.71,24.13) 29.71,23.19 30.31,22.59 v1(30.37,22.59) 30.37,22.54 31.41,21.49 v1(31.41,21.05) 31.41,20.47 v1(31.35,20.41) ; 29.7,27.58 29.7,28.58 30.02,28.9 v1(30.02,28.95) v1(30.02,29.64) 30.02,30.44 29.62,30.83 29.62,31.36 29.92,31.66 ; 30.39,51.32 v1(29.5,51.32) 27.9,51.32 v1(27.18,52.04) ; 44.73,35.46 44.96,35.23 44.96,34.54 44.96,34.54 44.96,34.41 ; 44.73,35.46 44.48,35.71 44.15,35.71 43.81,36.04 43.81,36.43 43.71,36.54 v1(43.12,36.54) ; 44.73,35.46 44.73,35.21 v1(44.32,34.8) 44.58,34.8 44.96,34.41 ; v1(25.4,34.29) v1(24.26,33.15) v1(22.61,31.5) ; v1(41.32,29.9) 41.32,30.19 40.51,30.99 40.51,31.69 ; 48.77,45.91 49.08,46.23 50.47,46.23 56.29,52.04 ; v1(29.33,60.7) v1(27.3,62.73) 27.3,63.11 22.08,68.33 20.17,68.33 ; 58.48,61.98 58.48,62.88 ; 58.48,61.98 59.39,61.98 ; 58.48,61.98 v1(49.94,53.44) ; 34.16,36.49 v1(34.12,36.53) 33.11,35.52 33.11,34.97 v1(33.08,34.94) ; 29.31,33.68 28.92,33.29 28.92,33.12 28.32,32.51 v1(28.32,30.73) v1(28.32,27.94) ; v1(29.97,31.67) 29.97,31.62 ; v1(29.97,31.67) 29.93,31.67 29.92,31.66 ; v1(29.97,31.67) 29.97,31.77 30.07,31.87 30.15,31.87 30.59,32.31 v1(30.59,32.5) ; 40.72,32.94 41.02,33.23 ; 40.72,32.94 40.99,32.94 41.02,32.97 ; v1(33.13,33.89) 33.17,33.86 33.7,33.86 34.8,34.96 34.8,36.45 ; 49.4,16.38 45.72,16.38 v1(45.57,16.23) ; 37.52,26.99 37.21,26.67 ; 37.52,26.99 37.52,26.67 ; 37.52,26.99 37.52,28.33 37.32,28.54 36.82,28.54 v1(36.47,28.18) 36.12,28.54 34.84,28.54 v1(34.68,28.69) ; 37.21,26.67 37.22,26.66 v1(37.22,26.66) 37.22,26.58 37.52,26.28 ; 37.21,26.67 37.52,26.67 ; 37.52,24.06 37.34,23.88 37.52,23.69 ; 37.52,24.06 37.52,23.69 ; 37.52,24.06 37.52,24.45 ; v1(26.43,44.42) 25.89,44.96 22.02,44.96 v1(21.54,44.48) v1(20.84,43.78) 20.71,43.78 19.77,42.84 19.77,41.87 19.09,41.19 v1(18.12,41.19) 18.12,39.72 16.61,38.21 ; 15.26,49.78 25.84,49.78 26.57,49.05 v1(27.48,49.05) 29.4,49.05 v1(30.47,47.98) 30.79,47.98 C1110.2 ; 32.94,60.91 32.94,58.93 ; 32.94,60.91 32.94,60.98 32.57,61.34 32.57,65.18 33.31,65.92 ; 32.94,60.91 32.92,60.93 ; 32.94,58.93 32.31,59.56 31.04,59.56 30.11,60.48 ; 32.94,58.93 v1(34.12,57.75) 36.32,55.55 36.32,55.33 36.58,55.07 36.58,52.73 37.76,51.55 37.76,50.76 37.76,48.52 37.7,48.47 ; C1030.2 25.89,39.13 27.69,40.93 v1(27.69,41.15) 27.75,41.21 C1031.2 27.75,41.97 27.23,42.49 24.94,42.49 v1(24.79,42.34) 24.79,42.17 22.96,40.34 22.96,38.33 20.94,36.31 20.42,36.31 19.47,35.36 ; 44.56,30.55 45.29,31.28 45.29,31.8 45.19,31.9 v1(45.06,31.9) ; 44.56,30.55 44.45,30.66 44.45,31.66 44.55,31.76 44.92,31.76 v1(45.06,31.9) ; 48,37.21 48.25,37.47 50.15,37.47 v1(50.16,37.46) 50.17,37.46 50.57,37.46 50.67,37.36 50.67,37.34 52.1,37.34 52.89,38.13 v1(53.5,38.13) ; 48,37.21 49.02,37.21 49.98,36.25 51.31,36.25 54.47,33.09 v1(57.29,33.09) 57.44,32.94 ; 48,37.21 v1(47.92,37.13) ; v1(54.4,35.39) 54.43,35.39 54.76,35.05 54.76,35.02 v1(55.92,33.87) ; 37.34,24.64 37.52,24.82 ; 37.34,24.64 37.52,24.64 ; 37.34,24.64 37.52,24.45 ; 37.52,24.82 37.52,26.28 ; 37.52,24.82 37.52,24.64 ; 33.26,20.82 33.62,21.18 ; 33.26,20.82 33.26,20.94 33.29,20.97 ; 33.26,20.82 33.26,20.19 v1(33.61,19.83) ; 49,19.81 v1(49.39,20.21) ; 49,19.81 49.28,19.81 49.39,19.93 v1(49.39,20.21) ; v1(43.47,22.63) 43.24,22.86 ; v1(60.68,61.98) 59.69,61.98 ; 44.91,102.82 46.16,102.82 v2(46.17,102.81) ; v1(39.97,28.18) 39.97,28.37 39.5,28.84 39.5,29.64 v1(39.88,30.03) 40.29,29.62 C3945.2 ; v1(48.23,51.63) 47.27,51.63 46.36,50.72 46.36,50.16 46.65,49.86 46.65,49.2 v1(47.32,48.53) ; 37.52,26.67 37.52,26.28 ; 40.51,31.69 40.51,32 ; 33.91,37.59 33.66,37.59 33.27,37.98 32.18,37.98 ; 39.63,32.64 39.38,32.38 38.87,32.38 38.83,32.42 38.58,32.42 38.27,32.11 38.27,31.93 38.68,31.52 v1(38.68,31.48) 38.68,31.45 37.94,30.71 v1(37.86,30.71) ; v1(46.72,36.53) 47.04,36.85 47.04,37.47 47.31,37.75 ; v1(24.07,42.23) v1(23.57,41.74) v1(22.48,40.64) 22.48,38.86 20.57,36.96 20.06,36.96 19.9,36.8 18.97,35.86 ; v1(45.42,29.88) 45.3,29.76 45.3,29.21 ; 35.28,38.29 35.28,38.29 ; 35.28,38.29 v1(35.29,38.3) ; 35.28,38.29 34.8,37.81 ; 45.9,26.3 45.9,25.56 C3922.2 ; 33.15,52.69 28.75,52.69 v2(28.54,52.91) 26.69,54.75 25.64,54.75 25.14,55.26 22.58,55.26 21.15,53.82 16.15,53.82 v1(15.11,54.86) ; 33.15,52.69 33.29,52.69 v1(33.92,52.06) ; v2(35.94,71.12) 36.32,71.5 C1702.2 ; v1(14.73,40.89) 15,40.89 ; 44.79,25.91 44.74,25.91 C3912.2 44.79,26.45 ; 44.79,25.91 44.79,26.45 ; 44.79,25.91 44.79,25.67 44.87,25.58 v1(44.87,25.03) ; 44.96,34.41 45.09,34.28 45.09,31.93 v1(45.06,31.9) ; 15.26,44.17 16.13,45.04 16.13,46.1 15.26,46.97 ; 22.05,31.74 29.13,38.82 v1(29.27,38.82) ; v1(37.17,21.78) 37.17,21.83 37.17,22.01 38.23,23.06 38.23,23.37 38.35,23.49 ; 34.66,37.67 34.72,37.73 v1(34.72,37.79) 34.74,37.81 34.8,37.81 ; 34.66,37.67 34.83,37.5 ; 34.66,37.67 34.61,37.67 ; 37.52,24.64 37.52,24.45 ; 38.18,25.62 38.18,25.91 38.37,26.11 38.37,26.16 ; 38.18,25.62 38.29,25.5 38.35,25.5 ; 38.18,25.62 38.18,25.42 ; v1(35.77,22.66) 35.79,22.68 36.94,22.68 37.52,23.27 37.52,23.69 ; v1(48.37,42.78) 48.5,42.65 49.42,42.65 v1(49.66,42.88) ; v1(35.84,53.26) 35.84,54.97 32.26,58.55 v1(30.56,58.55) 30.34,58.55 28.6,60.29 28.6,60.3 v1(28.58,60.32) 28.57,60.32 24.89,64 24.89,64.52 23.88,65.53 22.23,65.53 19.94,67.82 19.66,67.82 ; 18.77,66.93 v1(18.92,66.93) 20.09,66.93 22.11,64.91 22.95,64.91 v1(25.2,62.66) v1(27.55,60.31) 29.8,58.05 v1(29.83,58.05) 30.1,57.78 v1(30.56,57.78) 32.14,57.78 35.27,54.65 35.27,52.45 v1(36.13,51.6) ; C2368.2 35.57,93.59 v2(36.07,93.09) 35.6,92.62 R2332.2 ; 60.22,33.81 58.65,33.81 v1(58.04,34.42) ; v1(41.92,49.13) 41.7,49.13 41.56,49.28 41.56,49.84 41.89,50.17 v1(41.89,50.31) 41.89,52.39 ; 45.97,31.11 45.97,32.23 45.82,32.38 45.82,35.55 v1(44.88,36.49) ; 34.8,37.81 34.76,37.78 34.75,37.78 34.7,37.72 34.65,37.72 34.61,37.67 ; v1(36.47,17.03) 36.82,17.39 36.82,18.23 v1(36.53,18.53) ; 39.59,49.02 39.59,50.2 39.5,50.29 39.5,52.08 v1(39.63,52.22) 39.63,53.33 39.11,53.85 v1(39.11,58.42) v1(39.11,59.82) 39.11,64.89 41.91,67.69 48,67.69 ; v1(45.57,21.03) 45.24,20.7 45.24,18.96 v1(45.57,18.63) ; 32.18,37.98 31.12,37.98 30.73,37.59 30.73,37.08 ; 32.18,37.98 v1(31.83,37.63) ; v1(43.47,25.03) 43.32,25.19 43.32,26.19 43.31,26.2 43.31,26.67 C3966.2 43.17,26.84 43.47,27.14 43.47,27.56 43.17,27.86 C3900.2 43.17,28.24 43.47,28.55 43.47,29.11 43.88,29.52 43.88,32.1 v1(44,32.23) ; 38.35,25.07 38.18,25.25 38.18,25.42 ; v1(30.77,21.05) 30.74,21.05 29.08,22.71 v1(29.08,23.5) 28.85,23.73 28.85,26.31 29.11,26.57 29.11,29.1 v1(29.24,29.23) v1(29.24,30.32) 29.11,30.44 29.11,32.49 30.4,33.79 30.86,33.79 v1(30.86,33.78) 31.04,33.78 31.69,34.43 31.69,34.6 v1(31.62,34.67) 31.62,35.1 32.11,35.59 32.35,35.59 v1(32.49,35.45) 32.55,35.51 32.55,35.98 33.4,36.83 33.4,36.96 34.12,37.67 34.61,37.67 ; v1(55.05,53.66) v1(52.2,50.8) 52.2,50.89 52.1,50.99 51.88,50.99 51.18,50.29 v1(51.18,49.78) 50.93,49.78 50.48,49.34 v1(50.48,49.09) ; 56.13,41.27 v1(56.01,41.15) 52.49,41.15 51.22,39.88 49.53,39.88 49.15,39.5 47.21,39.5 R1301.2 ; v1(22.89,57.15) 21.51,57.15 v1(20.07,58.6) ; v1(30.59,32.5) 30.64,32.5 v1(33.08,34.94) ; v1(30.59,32.5) 30.44,32.65 29.93,32.65 29.62,32.34 29.62,31.97 29.92,31.66 ; D2301.1 25.76,94.89 24.77,95.88 25.28,95.88 v2(25.68,96.28) ; v1(52.99,105.05) 52.09,105.05 51.35,104.31 37.88,104.31 35.81,102.24 35.81,100.58 32.07,96.84 v2(31.77,96.84) ; v1(19.35,61.65) 19.35,62.81 17.13,65.04 16.88,65.04 ; 35.4,21.5 35.4,21.67 35.42,21.69 35.42,21.98 35.4,22 C3931.2 ; v1(22.1,52.05) v1(18.54,52.05) v1(17.02,52.05) ; 26.37,50.59 v1(27.18,49.78) 30.13,49.78 v1(30.2,49.71) 30.2,49.48 C1114.2 ; 44.91,65.58 44.96,65.53 v1(44.96,65.28) ; 38.18,25.42 38.35,25.25 ; v1(23.05,33.71) v1(24.27,34.92) 24.59,34.92 29.09,39.42 v1(29.84,39.42) ; v1(32.61,25.43) 33.03,25.02 33.22,25.02 33.57,24.68 ; 59.64,36.02 57.78,37.87 v1(57.78,37.99) 57.68,38.1 v1(57.02,38.1) v1(56.26,38.1) ; 20.33,46.22 v1(20.33,46.36) ; v1(46.27,25.03) 46.27,24.98 ; v1(36.2,29.54) 36.37,29.71 36.37,30.35 36.35,30.37 ; 34.16,35.69 34.16,35.38 33.72,34.94 v1(33.08,34.94) ; v1(16.6,39.66) 16.6,41.06 21.62,46.08 26.79,46.08 v1(26.97,46.26) ; 41.89,52.7 41.89,53.19 v1(42.44,53.74) 42.44,55.55 v1(42.66,55.77) ; 16.54,38.78 17.36,39.6 v1(17.36,40.43) 17.36,40.43 17.36,41.23 18.15,42.02 18.86,42.02 v1(18.91,41.97) 18.94,42.01 18.94,42.68 21.73,45.47 v1(27.75,45.47) ; v1(25.83,52.05) v1(22.86,52.05) ; v1(17.27,37.34) v1(18.86,38.93)